# Altium PCB FMC_ADC_100M_10B_16CHA_TDC.PcbDoc (part 4 of 12)
Units mil, origin at the board's own origin, x right, y up, seen from the top; angles counter-clockwise.
Board outline 3037.39 x 2716.54 mil, 6 copper layers (TOP, G1, L2, L3, P3, BOTTOM), stack 50.475 mil thick; 720 components, 633 nets, 2798 pads, 1593 vias.
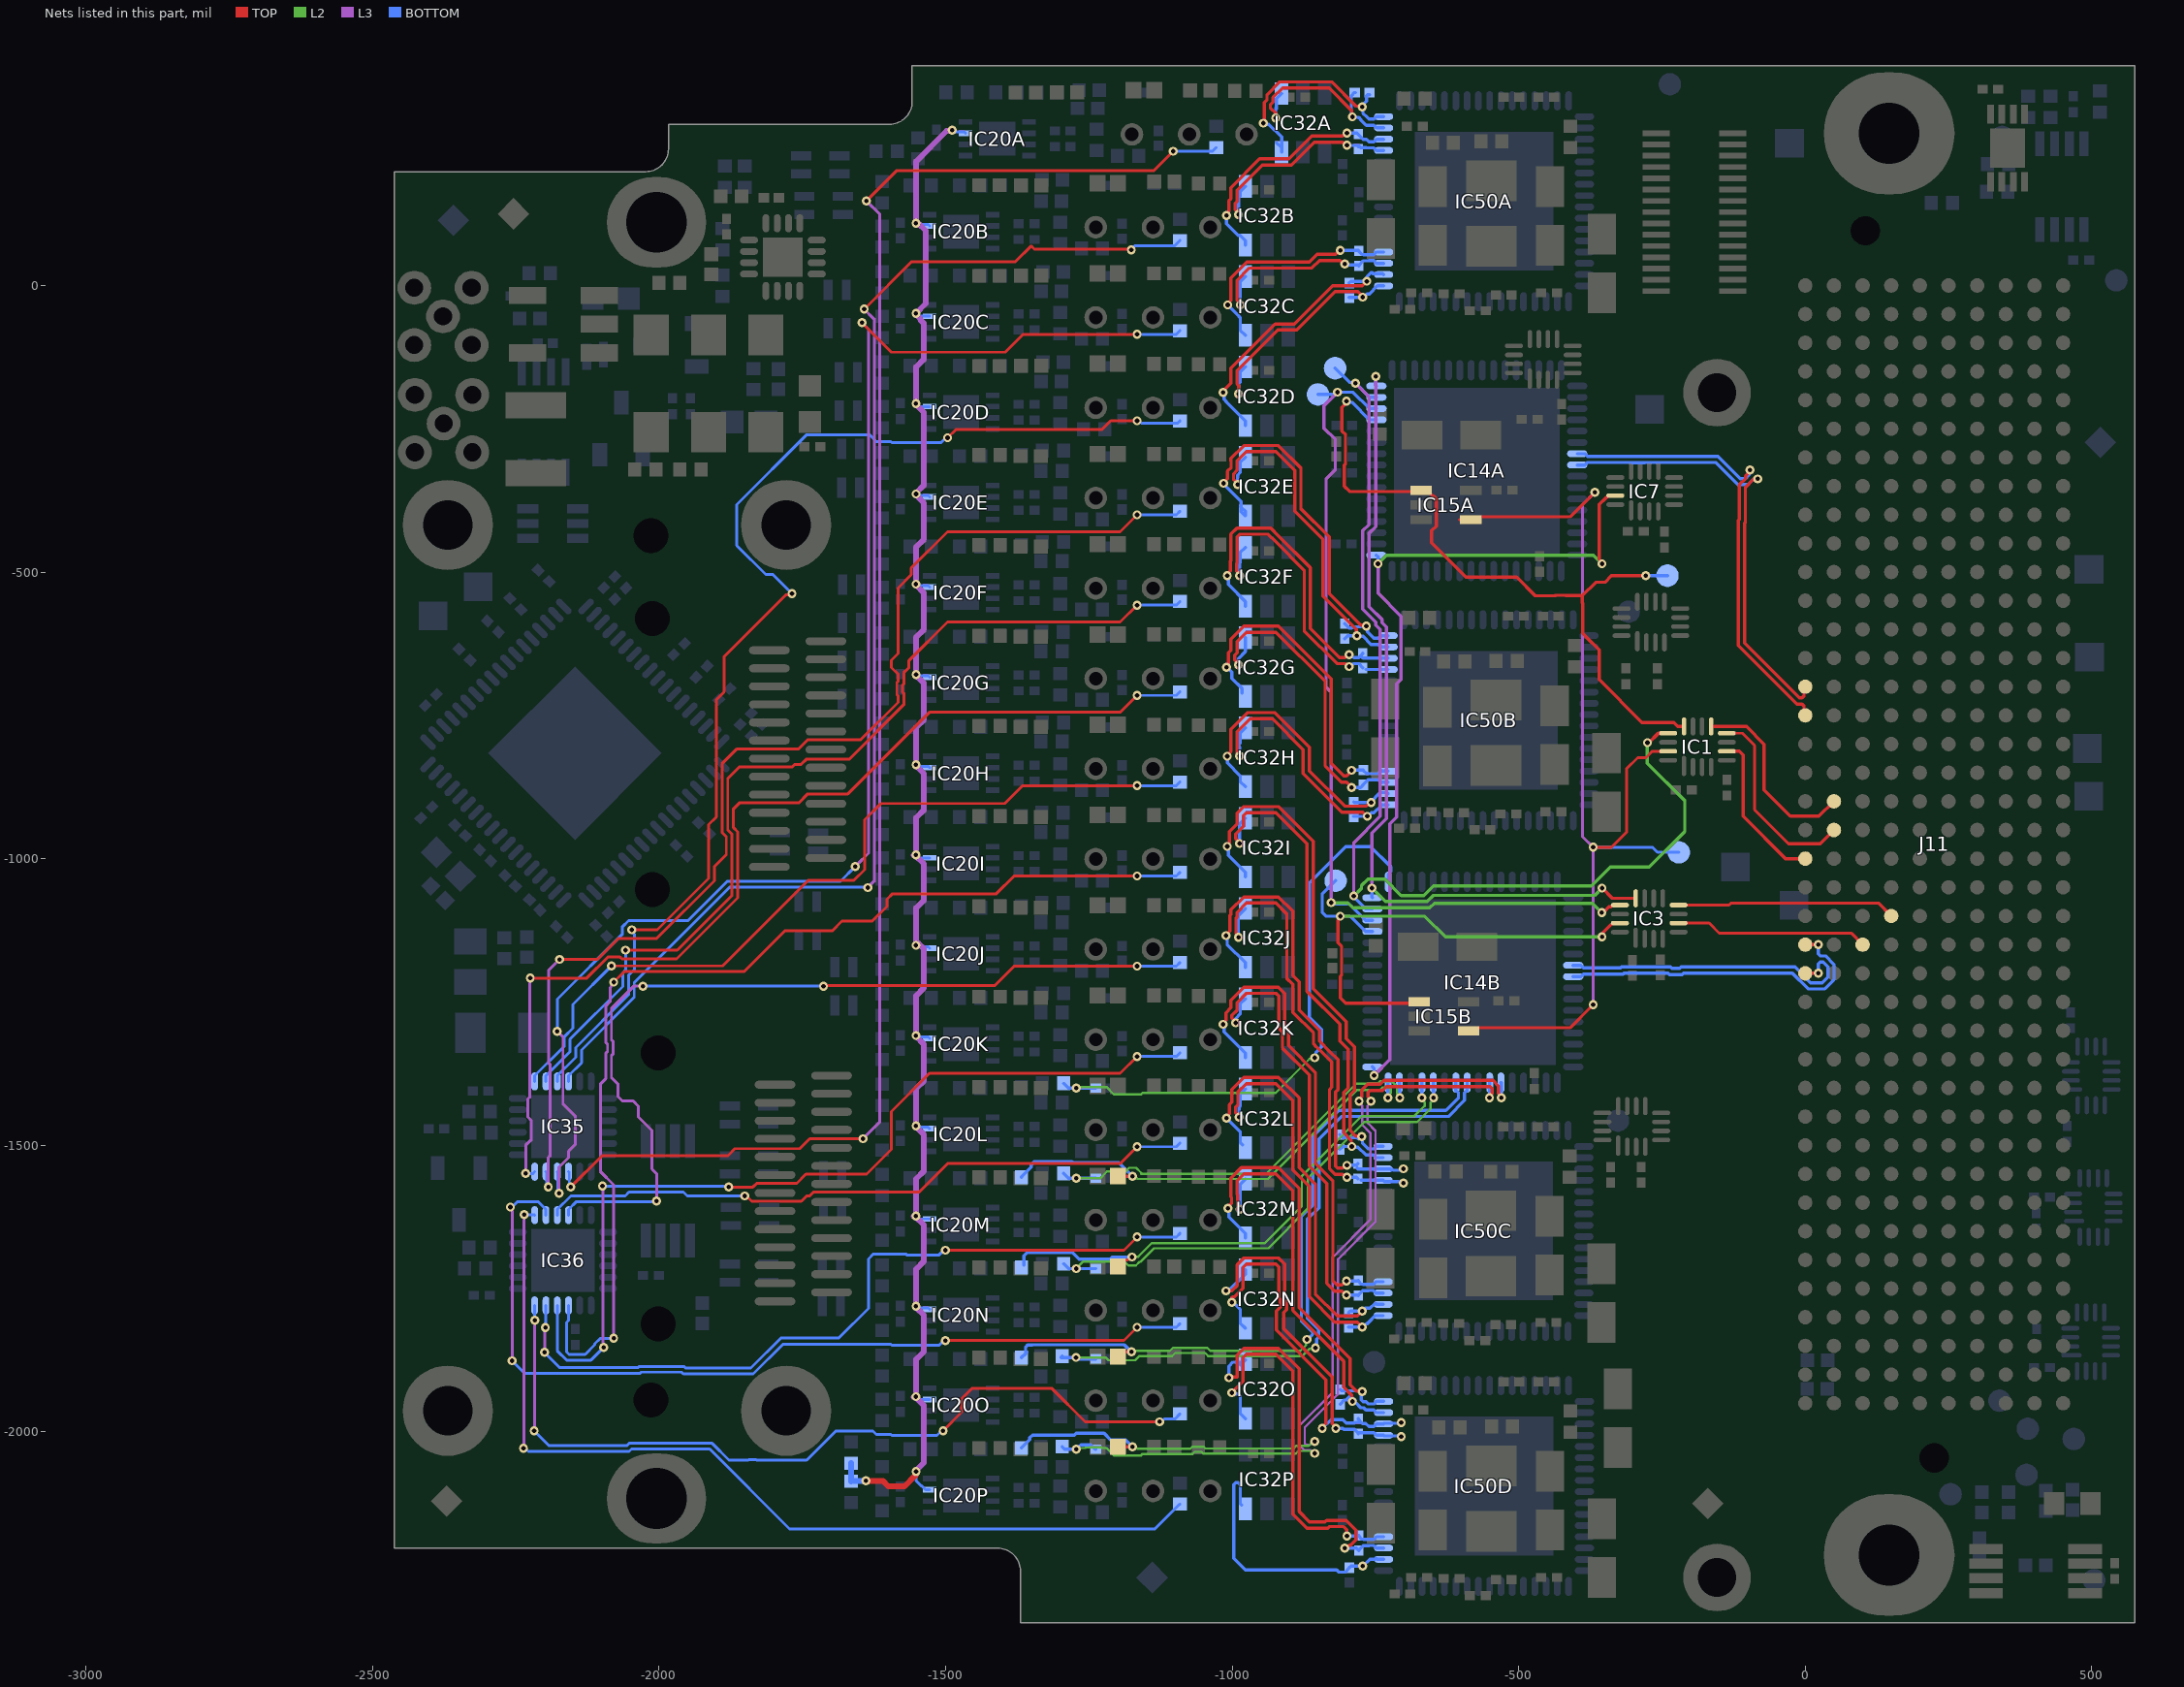
[diagram p8: the nets of this part, all layers, seen from the top]

## Via types
v1: diameter 15.75, hole 7.87, TOP to BOTTOM, tented both sides, 1528 vias
v2: diameter 23.62, hole 11.81, TOP to BOTTOM, tented both sides, 39 vias
v3: diameter 23.62, hole 7.87, TOP to BOTTOM, tented both sides, 26 vias

## Nets (pads, with @x,y where several pads share a name; then routed paths per layer and width w, separated by ;. In a path a pad name is that pad's centre, name@x,y a point inside that pad or via, vN(x,y) a via of type N, cw(c..) or ccw(c..) an arc to the next point about the centre after c; other vN are vias at no path point) (continued)
ADC_IN11.SIG_P: IC14B.1 R48L.2 R58L.2 | length 1027.9
  L2 w4: v1(-1272.17,-1400.21) -1270.2,-1398.24 -1219.27,-1398.24 -1206.37,-1411.15 -1158.9,-1411.15 -1156.71,-1408.96 -924.61,-1408.96 -865.24,-1349.59 -857.99,-1349.59 v1(-855.8,-1347.4)
  BOTTOM w5.71: R48L.2@-1293.86,-1392.1 -1285.74,-1400.21 R58L.2@-1237.92,-1400.21 ; -853.88,-1338.39 -844.03,-1328.53 -844.03,-1297.66 -865.27,-1276.42 -865.27,-1042.64 -801.57,-978.95 -758.44,-978.95 -723.27,-1014.12 -723.27,-1022.46 -727.76,-1026.95 IC14B.1@-727.76,-1040.41
ADC_IN12.SIG_N: C100M.1 IC14B.48 R60M.2 | length 805.4
  TOP w5.71: C100M.1@-1198.94,-1553.75 -1198.44,-1554.26 v1(-1173.74,-1554.26)
  L2 w4: v1@-1170.85,-1553.18 -1165.21,-1558.82 -937.39,-1558.82 -781.95,-1403.38 -741.85,-1403.38 -737.6,-1399.12 -725.51,-1399.12 -723.17,-1401.46 -723.17,-1409.16 -728.29,-1414.28 v1(-728.29,-1417.38)
  BOTTOM w5.71: R60M.2@-1367.44,-1555.72 -1367.44,-1554.93 -1350.8,-1538.29 -1350.8,-1534.3 -1345.54,-1529.03 -1279.26,-1529.03 -1277.79,-1530.51 -1197.49,-1530.51 v1(-1173.74,-1554.26) ; v1(-728.29,-1417.38) -728.02,-1417.11 -728.02,-1391.07 IC14B.48@-727.76,-1390.8
ADC_IN12.SIG_P: IC14B.47 R48M.2 R58M.2 | length 751.4
  L2 w4: v1(-1272.17,-1557.69) -1230.4,-1557.69 -1218.66,-1545.95 -1186.47,-1545.95 -1179.9,-1539.38 -1167.58,-1539.38 -1158.87,-1548.1 -1158.87,-1549.82 -941.12,-1549.82 -784.18,-1392.88 -746.2,-1392.88 -741.94,-1388.62 -721.16,-1388.62 -712.67,-1397.12 -712.67,-1409.16 -707.54,-1414.28 v1(-707.54,-1417.38)
  BOTTOM w5.71: R48M.2@-1293.86,-1549.13 -1285.3,-1557.69 v1(-1272.17,-1557.69) R58M.2@-1237.92,-1557.69 ; IC14B.47@-708.07,-1390.8 -707.81,-1391.07 -707.81,-1417.11 v1(-707.54,-1417.38)
ADC_IN13.SIG_N: C100N.1 IC14B.45 R60N.2 | length 928.6
  TOP w5.71: C100N.1@-1198.94,-1711.23 -1198.94,-1711.04 -1187.82,-1699.92 -1182.63,-1699.92
  L2 w4: v1(-1175,-1695) -1174.4,-1694.4 -1163.98,-1694.4 -1140.17,-1670.6 -942.78,-1670.6 -878.45,-1606.27 -878.45,-1553.54 -774,-1449.09 -681.95,-1449.09 -664.11,-1431.25 -664.11,-1425.59 -669.23,-1420.47 v1(-669.23,-1417.38)
  BOTTOM w5.71: R60N.2@-1363.64,-1708.61 -1363.64,-1693.04 -1357.29,-1686.69 -1279.09,-1686.69 -1266.72,-1699.05 -1213.43,-1699.05 -1209.38,-1695 v1(-1175,-1695) ; v1(-669.23,-1417.38) -668.97,-1417.11 -668.97,-1391.07 IC14B.45@-668.7,-1390.8
ADC_IN13.SIG_P: IC14B.44 R48N.2 R58N.2 | length 877.8
  L2 w4: v1(-1272.17,-1715.17) -1259.69,-1702.69 -1188.35,-1702.69 -1181.16,-1709.87 -1168.12,-1709.87 -1161.65,-1703.4 -1160.25,-1703.4 -1136.44,-1679.6 -936.93,-1679.6 -867.95,-1610.62 -867.95,-1557.89 -769.65,-1459.59 -677.6,-1459.59 -653.61,-1435.6 -653.61,-1425.59 -648.49,-1420.47 v1(-648.49,-1417.38)
  BOTTOM w5.71: R48N.2@-1293.86,-1706.75 -1285.43,-1715.17 v1(-1272.17,-1715.17) R58N.2@-1237.92,-1715.17 ; IC14B.44@-649.02,-1390.8 -648.75,-1391.07 -648.75,-1417.11 v1(-648.49,-1417.38)
ADC_IN14.SIG_N: C100O.1 IC14B.42 R60O.2 | length 1263.9
  TOP w5.71: C100O.1@-1198.94,-1868.71 -1190.52,-1860.29 -1176.29,-1860.29 v1@-1175,-1859
  L2 w4: v1(-1175.71,-1860.29) -1174.13,-1858.7 -1165.68,-1858.7 -1165.61,-1858.63 -1108.4,-1858.63 -1103.23,-1853.46 -1043.47,-1853.46 -1038.3,-1858.63 -881.04,-1858.63 -871.03,-1848.63 -871.03,-1840.32 v1(-869.38,-1838.66)
  BOTTOM w5.71: R60O.2@-1358.53,-1861.33 -1358.88,-1861.33 R60O.2@-1360.39,-1862.84 ; v1(-1175.71,-1860.29) -1187.9,-1848.1 -1348.53,-1848.1 -1349.09,-1848.66 -1357.05,-1848.66 -1360.39,-1852.01 R60O.2@-1360.39,-1862.84 ; v1(-869.38,-1838.66) -868.22,-1838.66 -859.85,-1830.3 -859.85,-1825.57 -879.27,-1806.15 -879.27,-1624.38 -859.32,-1604.43 -859.32,-1484.56 -813.81,-1439.04 -627.12,-1439.04 -605.16,-1417.09 -605.16,-1408.75 -609.65,-1404.26 IC14B.42@-609.65,-1390.8 ; R60O.2@-1360.39,-1862.84 -1360.39,-1863.63 R60O.2@-1367.44,-1870.68 -1367.44,-1869.89 R60O.2@-1360.39,-1862.84
ADC_IN14.SIG_P: IC14B.41 R48O.2 R58O.2 | length 1191.7
  L2 w4: v1(-1272.44,-1870.13) -1220.73,-1870.13 -1215.7,-1875.16 -1169.41,-1875.16 -1161.88,-1867.63 -1104.67,-1867.63 -1099.5,-1862.46 -1047.2,-1862.46 -1042.03,-1867.63 -877.31,-1867.63 -864.67,-1854.99 -856.36,-1854.99 v1(-854.7,-1853.34)
  BOTTOM w5.71: R48O.2@-1296.85,-1868.16 -1298.03,-1869.34 -1298.03,-1870.13 v1(-1272.44,-1870.13) ; v1@-1269.65,-1870.13 -1269.65,-1870.21 -1267.2,-1872.65 R58O.2@-1237.92,-1872.65 ; v1(-854.7,-1853.34) -852.78,-1851.42 -852.78,-1838.38 -849.14,-1834.74 -849.14,-1821.13 -868.55,-1801.72 -868.55,-1628.82 -848.61,-1608.87 -848.61,-1488.99 -809.37,-1449.76 -622.68,-1449.76 -594.45,-1421.52 -594.45,-1408.75 -589.96,-1404.26 IC14B.41@-589.96,-1390.8
ADC_IN15.SIG_N: C100P.1 IC14B.39 R60P.2 | length 1530
  TOP w5.71: C100P.1@-1198.94,-2026.19 v1(-1173.74,-2026.19) ; v1(-757.95,-1423.28) -757.95,-1420.57 -762.97,-1415.55 -762.97,-1407.8 -759.62,-1404.45 -737.61,-1404.45 -730.75,-1397.59 -549.45,-1397.59 -546.11,-1400.93 -546.11,-1409.64 -551.12,-1414.66 v1(-551.12,-1417.38)
  L3 w4: v1(-855.8,-2016.58) -858.15,-2016.58 -864.02,-2022.46 -870.96,-2022.46 -873.31,-2020.11 -873.31,-1992.33 -815.4,-1934.42 -815.4,-1698.99 -749.85,-1633.45 -749.85,-1474.81 -763.83,-1460.84 -763.83,-1431.5 -757.95,-1425.62 v1(-757.95,-1423.28)
  L2 w4: v1(-1173.74,-2026.19) -1171.5,-2028.44 -1166.62,-2028.44 -1165.53,-2029.53 -1073.05,-2029.53 -1069.46,-2025.94 -1049.68,-2025.94 -1046.62,-2029 -892.73,-2029 -888.05,-2024.32 -866.63,-2024.32 -858.9,-2016.58 v1(-855.8,-2016.58)
  BOTTOM w5.71: R60P.2@-1367.44,-2028.16 -1367.44,-2027.38 -1353.13,-2013.06 -1353.13,-2010.18 -1348.53,-2005.58 -1275.3,-2005.58 -1272.11,-2002.4 -1223.41,-2002.4 -1211.8,-2014.01 -1185.93,-2014.01 v1@-1174.61,-2025.32 ; v1(-551.12,-1417.38) -550.86,-1417.11 -550.86,-1391.07 IC14B.39@-550.59,-1390.8
ADC_IN15.SIG_P: IC14B.38 R48P.2 R58P.2 | length 1512.2
  TOP w5.71: v1(-778.7,-1423.28) -778.7,-1420.57 -773.68,-1415.55 -773.68,-1403.36 -764.06,-1393.74 -742.05,-1393.74 -735.18,-1386.87 -545.02,-1386.87 -535.39,-1396.49 -535.39,-1409.64 -530.38,-1414.66 v1(-530.38,-1417.38)
  L3 w4: v1(-855.8,-2037.33) -858.15,-2037.33 -864.02,-2031.46 -874.69,-2031.46 -882.31,-2023.84 -882.31,-1988.6 -824.4,-1930.69 -824.4,-1695.26 -758.85,-1629.72 -758.85,-1478.54 -772.83,-1464.57 -772.83,-1431.5 -778.7,-1425.62 v1(-778.7,-1423.28)
  L2 w4: v1(-1272.17,-2030.13) -1270.2,-2028.16 -1256.57,-2028.16 -1255.81,-2027.4 -1248.29,-2027.4 -1247.93,-2027.05 -1228.16,-2027.05 -1227.04,-2028.16 -1219.27,-2028.16 -1206.37,-2041.07 -1158.9,-2041.07 -1156.36,-2038.53 -1069.32,-2038.53 -1065.73,-2034.94 -1053.41,-2034.94 -1050.35,-2038 -889,-2038 -884.32,-2033.32 -862.91,-2033.32 -858.9,-2037.33 v1(-855.8,-2037.33)
  BOTTOM w5.71: R48P.2@-1296.85,-2025.64 -1292.36,-2030.13 -1276.66,-2030.13 -1272.17,-2025.64 -1270.61,-2027.2 -1268.55,-2027.2 -1263.8,-2022.46 -1246.38,-2022.46 -1238.7,-2030.13 R58P.2@-1237.92,-2030.13 ; IC14B.38@-530.91,-1390.8 -530.64,-1391.07 -530.64,-1417.11 v1(-530.38,-1417.38)
ADC_MISO: B22.1 IC1.15 IC15A.4 IC15B.4 | length 1821.7
  TOP w5: -603.74,-408.52 IC15A.4@-583.69,-408.59 -578.39,-403.22 -409.22,-403.22 v1(-367,-361) ; IC15B.4@-587.36,-1300.59 -581.99,-1295.22 -410.45,-1295.22 v1(-370,-1254.77) ; v1(-370.1,-980) -338.04,-980 -311.37,-953.33 -311.37,-842.62 -292.43,-823.68 -277.91,-823.68 -266.84,-812.61 IC1.15@-239.18,-812.61
  L3 w5: v1(-370,-1254.77) -370.37,-1254.39 -370.37,-980.27 v1(-370.1,-980) -388.53,-961.57 -388.53,-382.53 v1(-367,-361)
  BOTTOM w5: v1(-370.1,-980) -266.87,-980 -257.94,-988.93 B22.1@-220.53,-988.93
ADC_MISO_VADJ: IC1.6 J11.k20 | length 277.1
  TOP w6: IC1.6@-136.82,-812.61 -114.88,-812.61 -108.49,-819 -108.49,-925.94 -34.43,-1000 J11.k20@0,-1000
ADC_MOSI: B26.1 IC3.13 IC14A.62 IC14B.62 | length 1643
  TOP w5.71: v1@-353.96,-1095.04 v1(-355,-1094) -352.28,-1094 -342.28,-1084 -338.94,-1084 -335.88,-1080.94 IC3.13@-323.48,-1080.94
  L3 w5.71: v1(-827.16,-1076.83) -827.16,-710.08 -836.01,-701.24 -836.01,-337.2 -819.98,-321.17 -819.98,-268.91 -839.94,-248.95 -839.94,-209.84 v1(-816.34,-186.23)
  L2 w5.71: v1(-827.16,-1076.83) -798.23,-1076.83 -789.48,-1085.58 -655.23,-1085.58 -647.32,-1077.67 -371.33,-1077.67 v1(-355,-1094)
  BOTTOM w5.71: B26.1@-850.38,-190.17 -822.99,-190.17 -819.06,-186.23 v1(-816.34,-186.23) -788.78,-186.23 -760.24,-214.78 IC14A.62@-748.43,-214.78 ; v1(-827.16,-1076.83) -825.24,-1078.75 -795.72,-1078.75 -767.13,-1107.34 IC14B.62@-755.32,-1107.34
ADC_MOSI_VADJ: IC3.8 J11.g18 | length 381.9
  TOP w5: IC3.8@-221.12,-1080.94 -132.99,-1080.94 -129.52,-1077.47 127.47,-1077.47
  TOP w5.71: 127.47,-1077.47 J11.g18@150,-1100
ADC_RESETn_1V8: IC3.12 IC14A.64 IC14B.64 | length 1442.1
  TOP w5.71: v1(-354.73,-1051.23) -336.83,-1069.13 IC3.12@-295.92,-1069.13
  L3 w5.71: v1(-756.3,-1051.23) -756.3,-955.56 -731.04,-930.3 -731.04,-595.59 -738.49,-588.14 -738.49,-582.8 -761.2,-560.09 -761.2,-432.27 -749.41,-420.48 v1(-749.41,-158.67)
  L2 w5.71: v1(-756.3,-1051.23) -732.67,-1074.87 -659.67,-1074.87 -648.81,-1064.01 -367.5,-1064.01 v1(-354.73,-1051.23)
  BOTTOM w5.71: v1(-756.3,-1051.23) -756.3,-1066.98 IC14B.64@-755.32,-1067.97 ; v1(-749.41,-158.67) -749.41,-174.42 IC14A.64@-748.43,-175.41
ADC_SCK: B23.1 IC1.13 IC14A.63 IC14B.63 | length 1951.7
  TOP w5.71: v1(-275.49,-797.61) -272.78,-797.61 -264.43,-789.27
  TOP w6: -264.43,-789.27 -260.09,-784.93 -256.64,-781.47 -239.54,-781.47 IC1.13@-239.18,-781.12
  L3 w5.71: v1(-787.79,-1065.02) -787.79,-971.91 -741.75,-925.86 -741.75,-600.03 -749.21,-592.57 -749.21,-587.24 -771.92,-564.53 -771.92,-427.84 -761.24,-417.16 -761.24,-194.09 v1(-784.84,-170.49)
  L2 w5.71: v1(-787.79,-1065.02) -774.35,-1051.57 -774.35,-1047.03 -762.82,-1035.5 -733.69,-1035.5 -705.04,-1064.15 -665.34,-1064.15 -648.81,-1047.63 -373.36,-1047.63 -340.38,-1014.64 -272.4,-1014.64 -210.23,-952.46 -210.23,-898.62 -275.49,-833.36 v1(-275.49,-797.61)
  BOTTOM w5.71: B23.1@-820.27,-144.27 -795.37,-169.18 -786.15,-169.18 -760.24,-195.09 IC14A.63@-748.43,-195.09 ; v1(-787.79,-1065.02) -787.79,-1066.76 -766.91,-1087.65 IC14B.63@-755.32,-1087.65
ADC_SCK_VADJ: IC1.8 J11.j21 | length 342.4
  TOP w5: IC1.8@-136.82,-781.12 -109.81,-781.12 -88.52,-802.41 -88.52,-914.65 -29.17,-974
  TOP w5.71: -29.17,-974 26,-974 J11.j21@50,-950
ADC_SSN0: B24.1 IC1.12 IC14A.61 IC15A.1 | length 1274.7
  TOP w5.71: v1@-801.88,-204.63 -801.88,-205.98 -808.45,-212.55 -808.45,-253.93 -802.19,-260.18 -802.19,-310.79 -804.51,-313.11 -804.51,-350.23 -795.29,-359.45 -672.34,-359.45 IC15A.1@-670.31,-357.41 -659.48,-357.41 -649.62,-367.27 -648.35,-367.27 -643.75,-371.87 -643.75,-419.72 -651.95,-427.92 -651.95,-449.14 -592.01,-509.09 -503.67,-509.09 -471.38,-541.37 -436.66,-541.37 -435.78,-540.5 -418.73,-540.5 -418.17,-541.06 -388.88,-541.06 ; -284.78,-762.47 -359.73,-687.52 -359.73,-635.95 -381.91,-613.77 -381.91,-613.33 -388.49,-606.75 -388.49,-554.49 -388.88,-554.09 -388.88,-541.06 ; v1(-278.55,-506.51) -338.26,-506.51 -349.54,-517.79 -365.61,-517.79 -388.88,-541.06
  TOP w6: -284.78,-762.47 -229.13,-762.47 -222.3,-769.3 IC1.12@-211.62,-769.3
  BOTTOM w5.71: v1(-800.59,-201.98) -798.67,-203.9 -790.8,-203.9 -760.24,-234.46 IC14A.61@-748.43,-234.46 ; v1(-278.55,-506.51) -278.33,-506.29 B24.1@-240.51,-506.29
ADC_SSN0_VADJ: IC1.9 J11.j22 | length 336.9
  TOP w5.71: IC1.9@-164.38,-769.3 -102.7,-769.3 -71.73,-800.26 -71.73,-880.22 -25.92,-926.04 23.96,-926.04 J11.j22@50,-900
ADC_SSN1: B25.1 IC3.15 IC14B.61 IC15B.1 | length 966.5
  TOP w5.71: v1@-815.34,-1107.08 -815.34,-1146.49 -809.08,-1152.74 -809.08,-1203.35 -811.4,-1205.67 -811.4,-1242.79 -802.18,-1252.01 -676.57,-1252.01 IC15B.1@-673.98,-1249.41 ; v1@-352.01,-1136.43 v1(-354.73,-1136.43) -352.81,-1134.51 -352.81,-1129.02 -340.18,-1116.39 -339.83,-1116.39 -335.88,-1112.44 IC3.15@-323.48,-1112.44
  L2 w5.71: v1(-811.42,-1100.45) -663.88,-1100.45 -627.9,-1136.43 v1(-354.73,-1136.43)
  BOTTOM w5.71: B25.1@-819.29,-1038.44 -842.91,-1062.06 -842.91,-1093.37 -835.84,-1100.45 v1(-811.42,-1100.45) -793.7,-1100.45 -767.13,-1127.02 IC14B.61@-755.32,-1127.02
ADC_SSN1_VADJ: IC3.6 J11.h17 | length 336.7
  TOP w5: IC3.6@-221.12,-1112.44 -167.71,-1112.44 -150.25,-1129.9 79.9,-1129.9
  TOP w5.71: 79.9,-1129.9 J11.h17@100,-1150
ADC_SYNC_1V8: IC7.15 IC14A.49 IC14B.49 | length 1503.9
  TOP w5.71: v1(-354.73,-485.58) -354.73,-482.86 -359.58,-478.01 -359.58,-382.1 -348.05,-370.57 -347.71,-370.57 -343.75,-366.62 IC7.15@-331.36,-366.62
  L3 w5.71: v1(-752.36,-1378.01) -724.78,-1350.43 -724.78,-939.2 -712.97,-927.39 -712.97,-695.11 -705.13,-687.27 -705.13,-577 -745.47,-536.66 v1(-745.47,-485.45)
  L2 w5.71: v1(-745.47,-485.45) -731.03,-471 -369.31,-471 v1(-354.73,-485.58)
  BOTTOM w5.71: IC14B.49@-755.32,-1363.24 -755.18,-1363.24 -752.36,-1366.06 v1(-752.36,-1378.01) ; IC14A.49@-748.43,-470.68 -748.29,-470.68 -745.47,-473.5 v1(-745.47,-485.45)
ADCLKA_N: IC14A.24 J11.k26 | length 800
  TOP w5.71: v1(-82.77,-337.41) -83.62,-338.27 -90.72,-338.27 -104.52,-352.06 -104.52,-412.97 -106,-414.45 -106,-623.93 -10.29,-719.64 -5.56,-719.64 -2.21,-716.3 -2.21,-702.21 J11.k26@0,-700
  BOTTOM w5.71: IC14A.24@-398.03,-313.2 -384.57,-313.2 -380.09,-308.72 -302.28,-308.72 -301.96,-309.04 -280.05,-309.04 -279.73,-308.72 -156.71,-308.72 -117.87,-347.56 -100.02,-347.56 -90.72,-338.27 -83.62,-338.27 v1(-82.77,-337.41)
ADCLKA_P: IC14A.23 J11.k25 | length 820.8
  TOP w5.71: v1(-96.38,-321.67) -96.38,-324.39 -104.37,-332.39 -104.37,-336.77 -115.23,-347.63 -115.23,-408.53 -116.72,-410.02 -116.72,-628.37 -14.73,-730.36 -5.56,-730.36 -2.21,-733.7 -2.21,-747.79 J11.k25@0,-750
  BOTTOM w5.71: IC14A.23@-398.03,-293.52 -384.57,-293.52 -380.09,-298 -297.84,-298 -297.52,-298.32 -284.49,-298.32 -284.17,-298 -152.28,-298 -113.43,-336.85 -104.45,-336.85 -98.3,-330.69 -98.3,-323.59 v1(-96.38,-321.67)
ADCLKB_N: IC14B.24 J11.k17 | length 578.6
  TOP w5.71: J11.k17@0,-1150 v1(23,-1150)
  BOTTOM w5.71: IC14B.24@-404.92,-1205.76 -391.46,-1205.76 -386.98,-1201.28 -317.64,-1201.28 -316.08,-1199.72 -239.5,-1199.72 -236.91,-1202.31 -215.01,-1202.31 -212.41,-1199.72 -22.5,-1199.72 4.94,-1227.16 34.25,-1227.16 50.16,-1211.25 50.16,-1184.28 35.52,-1169.64 26.35,-1169.64 23,-1166.3 v1(23,-1150)
ADCLKB_P: IC14B.23 J11.k16 | length 543.1
  TOP w5.71: J11.k16@0,-1200 v1(23,-1200)
  BOTTOM w5.71: IC14B.23@-404.92,-1186.08 -391.46,-1186.08 -386.98,-1190.56 -322.07,-1190.56 -320.52,-1189 -235.07,-1189 -232.48,-1191.6 -219.44,-1191.6 -216.85,-1189 -18.06,-1189 9.38,-1216.44 29.81,-1216.44 39.44,-1206.81 39.44,-1188.72 31.08,-1180.36 26.35,-1180.36 23,-1183.7 v1(23,-1200)
CFD_CLAMP: IC20A.7 IC20B.7 IC20C.7 IC20D.7 IC20E.7 IC20F.7 IC20G.7 IC20H.7 IC20I.7 IC20J.7 IC20K.7 IC20L.7 IC20M.7 IC20N.7 IC20O.7 IC20P.7 R117.2 R118.2 | length 3100.6
  TOP w10: v1(-1638.88,-2085.39) -1609.52,-2085.39 -1599.66,-2095.25 -1571.85,-2095.25 -1552.67,-2076.07 -1552.67,-2070.05 v1(-1551.57,-2068.95)
  L3 w10: v1@-1555.51,-1939.03 -1552.74,-1939.03 -1537.76,-1954.01 -1537.76,-2053.58 -1551.57,-2067.4 v1(-1551.57,-2068.95) ; v1@-1555.51,-1624.07 -1552.74,-1624.07 -1537.76,-1639.05 -1537.76,-1702.3 -1551.7,-1716.24 v1(-1551.7,-1781.04) ; v1@-1555.51,-994.15 -1552.74,-994.15 -1537.76,-1009.13 -1537.76,-1072.38 -1551.7,-1086.32 v1(-1551.7,-1151.12) ; v1(-1551.7,-1938.52) -1551.7,-1873.72 -1537.76,-1859.78 -1537.76,-1796.53 -1551.08,-1783.21 v1@-1551.08,-1780.42 ; v1(-1551.7,-1623.56) -1551.7,-1558.76 -1537.76,-1544.82 -1537.76,-1481.57 -1550.6,-1468.73 -1550.6,-1468.42 v1@-1549.04,-1466.87 ; v1(-1551.7,-1466.08) -1551.7,-1401.28 -1537.76,-1387.34 -1537.76,-1324.09 -1551.7,-1310.15 v1(-1551.7,-1308.6) ; v1(-1551.7,-993.63) -1551.7,-928.84 -1537.76,-914.89 -1537.76,-851.65 -1550.6,-838.81 v1@-1549.04,-837.25 ; v1(-1551.7,-836.15) -1551.7,-771.31 -1537.76,-757.37 -1537.76,-694.08 -1551.58,-680.26 v1@-1551.58,-679.19 ; v1(-1551.7,-521.19) -1551.7,-522.75 -1537.76,-536.69 -1537.76,-599.98 -1551.61,-613.83 v1(-1551.61,-678.67) ; v1(-1551.7,-206.23) -1551.7,-207.79 -1537.76,-221.73 -1537.76,-348.3 -1551.61,-362.16 v1(-1551.61,-363.71) ; v1(-1551.7,-48.75) -1534.5,-31.55 -1534.5,95.38 -1546.74,107.63 -1550.99,107.63 v1@-1551.58,108.21 ; v1(-1551.7,108.73) -1551.7,216.05 -1498.15,269.6 -1489.68,269.6 v1(-1488.58,270.7) ; v1@-1551.58,-519.61 -1551.7,-519.49 -1551.7,-456.59 -1537.76,-442.65 -1537.76,-379.6 -1543.52,-373.83 -1543.52,-373.36 v1@-1550.51,-366.37 ; v1@-1551.58,-203.58 -1551.7,-203.58 -1551.7,-142.45 -1537.76,-128.51 -1537.76,-66.28 -1544.39,-59.65 -1544.39,-57.62 -1551.58,-50.43 v1@-1551.58,-49.27 ; v1@-1551.08,-1307.98 -1551.7,-1307.36 -1551.7,-1239.28 -1537.76,-1225.34 -1537.76,-1157.57 v1@-1547.64,-1147.69
  BOTTOM w5: v1(-1551.7,-1781.04) -1548.79,-1781.04 -1546.21,-1783.62 -1530.5,-1783.62 IC20N.7@-1528.07,-1786.04 ; v1(-1551.7,-1466.08) -1548.79,-1466.08 -1546.21,-1468.65 -1530.5,-1468.65 IC20L.7@-1528.07,-1471.08 ; v1(-1551.7,-1308.6) -1548.79,-1308.6 -1546.21,-1311.17 -1530.5,-1311.17 IC20K.7@-1528.07,-1313.6 ; v1(-1551.7,-1151.12) -1548.79,-1151.12 -1546.21,-1153.69 -1530.5,-1153.69 IC20J.7@-1528.07,-1156.12 ; v1(-1551.7,-836.15) -1548.79,-836.15 -1546.21,-838.73 -1530.5,-838.73 IC20H.7@-1528.07,-841.15 ; v1(-1551.7,-521.19) -1548.79,-521.19 -1546.21,-523.77 -1530.5,-523.77 IC20F.7@-1528.07,-526.19 ; v1(-1551.7,108.73) -1548.79,108.73 -1546.21,106.15 -1530.5,106.15 IC20B.7@-1528.07,103.73 ; v1(-1551.57,-2068.95) -1551.57,-2085.15 -1542.99,-2093.73 -1542.23,-2093.73 -1534.96,-2101 IC20P.7@-1528.07,-2101 ; v1(-1551.61,-678.67) -1548.7,-678.67 -1546.12,-681.25 -1530.5,-681.25 IC20G.7@-1528.07,-683.67 ; v1(-1551.61,-363.71) -1548.7,-363.71 -1546.12,-366.29 -1530.5,-366.29 IC20E.7@-1528.07,-368.71 ; v1@-1547.39,-1943.52 IC20O.7@-1528.07,-1943.52 ; v1@-1547.39,-1628.56 IC20M.7@-1528.07,-1628.56 ; v1@-1547.39,-998.63 IC20I.7@-1528.07,-998.63 ; v1@-1547.39,-211.23 IC20D.7@-1528.07,-211.23 ; v1@-1547.39,-53.75 IC20C.7@-1528.07,-53.75 ; v1(-1488.58,270.7) -1485.68,270.7 -1483.1,268.12 -1467.38,268.12 IC20A.7@-1464.96,265.7
  BOTTOM w10: R118.2@-1664.89,-2054.54 R117.2@-1664.89,-2086.43 -1664.36,-2085.91 -1639.4,-2085.91 v1(-1638.88,-2085.39)
CFD_OFFSET0: IC35.3 R70A.1 | length 2880.1
  TOP w5: v1(-2153.93,-1572.89) -2099.19,-1518.14 -1879.9,-1518.14 -1867.65,-1505.9 -1754.45,-1505.9 -1737.03,-1488.48 v1(-1644.33,-1488.48) ; v1(-1638.19,147.58) -1585.12,200.65 -1136.31,200.65 v1(-1102.76,234.2)
  L3 w5: v1(-1644.33,-1488.48) -1614.62,-1458.77 -1614.62,124.02 v1(-1638.19,147.58)
  BOTTOM w5: v1@-2157.95,-1573.37 -2155.99,-1571.41 -2155.99,-1567.92 -2156.65,-1567.27 -2156.65,-1547.44 IC35.3@-2157.95,-1546.14 ; v1@-1099.83,238.14 -1099.83,236.24 -1097.79,234.2 -1034.25,234.2 R70A.1@-1027.95,240.5
CFD_OFFSET1: IC35.16 R70B.1 | length 2324.4
  TOP w5: v1(-1642.12,-41.4) -1559.62,41.1 -1378.52,41.1 -1350.79,68.84 -1345.05,63.11 -1177.11,63.11 v1(-1176,62)
  L3 w5: v1(-1642.12,-41.4) -1624.62,-58.9 -1624.62,-1039.22 v1(-1635.83,-1050.43)
  BOTTOM w5: IC35.16@-2157.95,-1388.66 -2157.95,-1378.82 -2135.26,-1356.13 -2135.26,-1333.61 -2043.32,-1241.67 -2043.32,-1216.13 -1876.83,-1049.64 -1636.62,-1049.64 v1(-1635.83,-1050.43) ; v1(-1176,62) -1176,62.52 -1168.91,69.61 -1099.98,69.61 R70B.1@-1091.07,78.53
CFD_OFFSET2: IC35.4 R70C.1 | length 2578.7
  TOP w5: v1(-1646.06,-65.01) -1594.7,-116.38 -1395.85,-116.38 -1364.72,-85.25 v1(-1165.87,-85.25)
  L3 w5: v1(-2177.56,-1301.24) -2167.67,-1311.12 -2167.67,-1427.62 -2146.06,-1449.23 -2146.06,-1498.48 -2157.87,-1510.29 -2157.87,-1521.71 -2174.68,-1538.52 v1(-2174.68,-1583.61) ; v1@-1657.87,-1010.45 -1654.48,-1010.45 -1634.62,-990.59 -1634.62,-76.45 v1(-1646.06,-65.01)
  BOTTOM w5: IC35.4@-2177.63,-1546.14 -2176.33,-1547.44 -2176.33,-1581.96 v1(-2174.68,-1583.61) ; v1(-2177.56,-1301.24) -2177.56,-1245.23 -2063.76,-1131.43 -2063.76,-1118.46 -2053.25,-1107.95 -1949.29,-1107.95 -1880.98,-1039.64 -1683.68,-1039.64 v1(-1657.87,-1013.84) ; v1(-1165.87,-85.25) -1097.37,-85.25 R70C.1@-1091.07,-78.95
CFD_OFFSET3: IC35.15 R70D.1 | length 2106.6
  TOP w5: v1(-2047.63,-1124.07) -2003.02,-1124.07 -1913.41,-1034.46 -1913.41,-940.72 -1900.1,-927.41 -1900.1,-722.68 -1886.6,-709.18 -1886.6,-647.44 -1778.67,-539.51 -1770.17,-539.51 v1(-1768.11,-537.45) ; v1(-1496.46,-265.8) -1481.57,-250.91 -1226.72,-250.91 -1211.83,-236.02 v1(-1165.87,-236.02)
  BOTTOM w5: IC35.15@-2177.63,-1388.66 -2177.63,-1378.82 -2145.26,-1346.45 -2145.26,-1329.47 -2053.32,-1237.53 -2053.32,-1203.71 -2043.1,-1193.49 -2043.1,-1131.51 -2047.63,-1126.98 v1(-2047.63,-1124.07) ; v1(-1768.11,-537.45) -1801.4,-504.17 -1813.8,-504.17 -1864.31,-453.65 -1864.31,-382.21 -1742.38,-260.27 -1632.95,-260.27 -1620.98,-272.24 -1595.44,-272.24 -1593.82,-273.86 -1507.42,-273.86 -1499.37,-265.8 v1(-1496.46,-265.8) ; v1(-1165.87,-236.02) -1162.96,-236.02 -1158.51,-240.47 -1095.11,-240.47 R70D.1@-1091.07,-236.43